# KiCad board TX75v2 PCB replacement.kicad_pcb (continued)
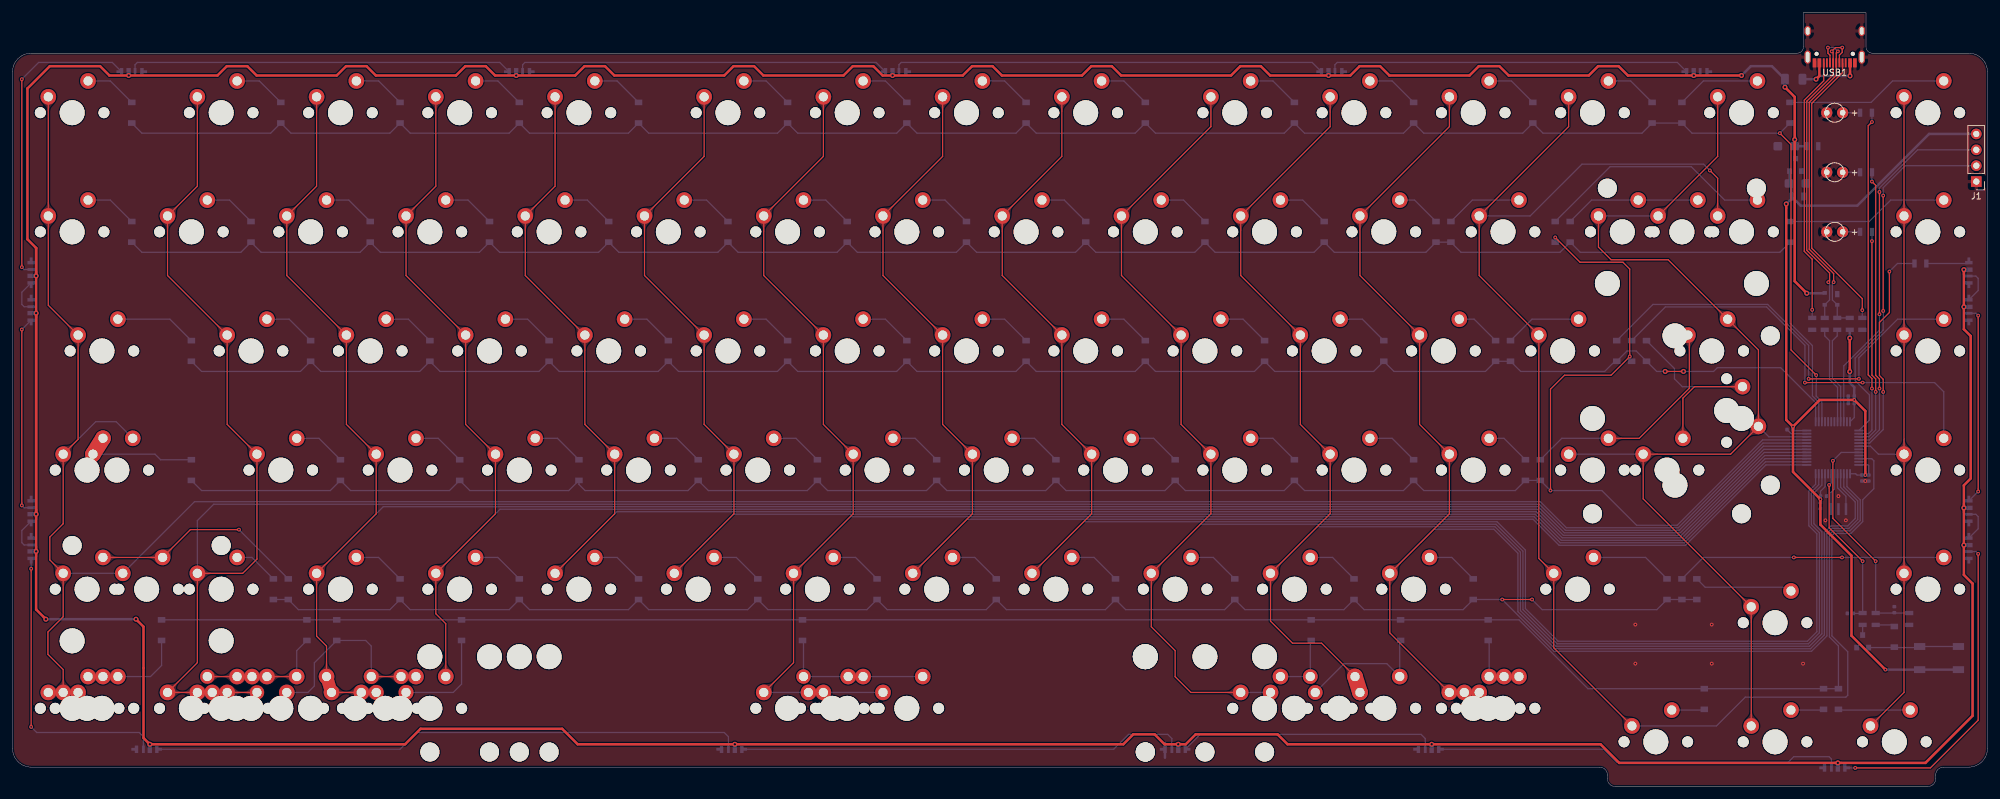
[diagram p0: board, top side]
## Copper pours and planes (outline as drawn; the poured copper is in the pictures) (continued)
C0 on Top: 7.99,14.84 8.09,14.84 8.19,14.83 8.28,14.83 8.37,14.82 8.45,14.8 8.52,14.78 8.59,14.77 8.66,14.74 8.72,14.72 8.78,14.69 8.84,14.67 8.89,14.63 8.94,14.6 8.99,14.57 9.51,14.17 9.57,14.13 9.63,14.09 9.7,14.04 9.77,14 9.85,13.96 9.93,13.92 11.1,15.04 9.93,16.17 9.85,16.12 9.77,16.08 9.7,16.04 9.63,16 9.57,15.95 9.51,15.91 8.99,15.51 8.94,15.48 8.89,15.45 8.84,15.42 8.78,15.39 8.72,15.36 8.66,15.34 8.59,15.32 8.52,15.3 8.45,15.28 8.37,15.27 8.28,15.26 8.19,15.25 8.09,15.24 7.99,15.24
C0 on Top: 8.2,15.24 8.1,15.24 8,15.25 7.91,15.26 7.83,15.27 7.75,15.28 7.67,15.3 7.6,15.32 7.53,15.34 7.47,15.36 7.41,15.39 7.36,15.42 7.3,15.45 7.25,15.48 7.2,15.51 6.69,15.91 6.63,15.95 6.56,16 6.49,16.04 6.42,16.08 6.34,16.12 6.26,16.17 5.09,15.04 6.26,13.92 6.34,13.96 6.42,14 6.49,14.04 6.56,14.09 6.63,14.13 6.69,14.17 7.2,14.57 7.25,14.6 7.3,14.63 7.36,14.67 7.41,14.69 7.47,14.72 7.53,14.74 7.6,14.77 7.67,14.78 7.75,14.8 7.83,14.82 7.91,14.83 8,14.83 8.1,14.84 8.2,14.84
C0 on Top: 6.26,35.78 6.34,35.71 6.4,35.63 6.46,35.56 6.52,35.49 6.56,35.42 6.6,35.35 6.63,35.29 6.66,35.22 6.69,35.16 6.71,35.1 6.72,35.04 6.74,34.97 6.75,34.91 6.76,34.85 6.78,34.33 6.79,34.25 6.8,34.18 6.81,34.1 6.82,34.03 6.84,33.94 6.86,33.86 6.89,33.77 6.92,33.68 8.54,33.65 8.51,35.27 8.42,35.3 8.33,35.33 8.24,35.35 8.16,35.36 8.08,35.38 8.01,35.39 7.93,35.4 7.86,35.4 7.34,35.43 7.28,35.44 7.21,35.45 7.15,35.46 7.09,35.48 7.03,35.5 6.96,35.52 6.9,35.55 6.83,35.59 6.77,35.63 6.7,35.67 6.63,35.72 6.56,35.78 6.48,35.85 6.41,35.92
C0 on Top: 8.2,50.65 8.2,50.76 8.2,50.86 8.21,50.95 8.23,51.04 8.24,51.12 8.26,51.19 8.28,51.26 8.31,51.33 8.34,51.39 8.37,51.45 8.4,51.5 8.43,51.56 8.47,51.61 8.51,51.66 8.86,52.05 8.9,52.1 8.95,52.16 9,52.22 9.04,52.29 9.09,52.36 9.13,52.43 9.18,52.51 9.22,52.6 8.1,53.77 6.97,52.6 7.01,52.51 7.06,52.43 7.1,52.36 7.15,52.29 7.2,52.22 7.24,52.16 7.29,52.1 7.33,52.05 7.68,51.66 7.72,51.61 7.76,51.56 7.79,51.5 7.83,51.45 7.86,51.39 7.88,51.33 7.91,51.26 7.93,51.19 7.95,51.12 7.97,51.04 7.98,50.95 7.99,50.86 7.99,50.76 8,50.65
C0 on Top: 10.58,69.7 10.58,69.81 10.59,69.91 10.59,70 10.61,70.09 10.62,70.17 10.64,70.24 10.67,70.31 10.69,70.38 10.72,70.44 10.75,70.5 10.78,70.55 10.82,70.61 10.85,70.66 10.89,70.71 11.24,71.1 11.29,71.15 11.33,71.21 11.38,71.27 11.42,71.34 11.47,71.41 11.52,71.48 11.56,71.56 11.6,71.65 10.48,72.82 9.35,71.65 9.4,71.56 9.44,71.48 9.48,71.41 9.53,71.34 9.58,71.27 9.62,71.21 9.67,71.15 9.72,71.1 10.06,70.71 10.1,70.66 10.14,70.61 10.17,70.55 10.21,70.5 10.24,70.44 10.26,70.38 10.29,70.31 10.31,70.24 10.33,70.17 10.35,70.09 10.36,70 10.37,69.91 10.38,69.81 10.38,69.7
C0 on Top: 9.79,54.97 9.71,54.9 9.64,54.83 9.56,54.77 9.49,54.72 9.43,54.68 9.36,54.64 9.29,54.6 9.23,54.57 9.16,54.55 9.1,54.53 9.04,54.51 8.98,54.5 8.92,54.49 8.85,54.48 8.33,54.45 8.26,54.45 8.19,54.44 8.11,54.43 8.03,54.41 7.95,54.4 7.86,54.38 7.78,54.35 7.69,54.32 7.65,52.7 9.28,52.73 9.31,52.82 9.33,52.91 9.35,52.99 9.37,53.08 9.38,53.15 9.39,53.23 9.4,53.3 9.41,53.38 9.44,53.9 9.45,53.96 9.46,54.02 9.47,54.09 9.48,54.15 9.51,54.21 9.53,54.27 9.56,54.34 9.59,54.4 9.63,54.47 9.68,54.54 9.73,54.61 9.79,54.68 9.85,54.76 9.93,54.83
C0 on Top: 8.2,31.6 8.2,31.71 8.2,31.81 8.21,31.9 8.23,31.99 8.24,32.07 8.26,32.14 8.28,32.21 8.31,32.28 8.34,32.34 8.37,32.4 8.4,32.45 8.43,32.51 8.47,32.56 8.51,32.61 8.86,33 8.9,33.05 8.95,33.11 9,33.17 9.04,33.24 9.09,33.31 9.13,33.38 9.18,33.46 9.22,33.55 8.1,34.72 6.97,33.55 7.01,33.46 7.06,33.38 7.1,33.31 7.15,33.24 7.2,33.17 7.24,33.11 7.29,33.05 7.33,33 7.68,32.61 7.72,32.56 7.76,32.51 7.79,32.45 7.83,32.4 7.86,32.34 7.88,32.28 7.91,32.21 7.93,32.14 7.95,32.07 7.97,31.99 7.98,31.9 7.99,31.81 7.99,31.71 8,31.6
C0 on Top: 8,17.53 7.99,17.43 7.99,17.33 7.98,17.23 7.97,17.15 7.95,17.07 7.93,16.99 7.91,16.92 7.88,16.86 7.86,16.79 7.83,16.73 7.79,16.68 7.76,16.63 7.72,16.58 7.68,16.53 7.33,16.14 7.29,16.08 7.24,16.02 7.2,15.96 7.15,15.9 7.1,15.83 7.06,15.75 7.01,15.67 6.97,15.59 8.1,14.42 9.22,15.59 9.18,15.67 9.13,15.75 9.09,15.83 9.04,15.9 9,15.96 8.95,16.02 8.9,16.08 8.86,16.14 8.51,16.53 8.47,16.58 8.43,16.63 8.4,16.68 8.37,16.73 8.34,16.79 8.31,16.86 8.28,16.92 8.26,16.99 8.24,17.07 8.23,17.15 8.21,17.23 8.2,17.33 8.2,17.43 8.2,17.53
C0 on Top: 5.81,88.75 5.82,88.86 5.82,88.96 5.83,89.05 5.85,89.14 5.86,89.22 5.88,89.29 5.9,89.36 5.93,89.43 5.96,89.49 5.99,89.55 6.02,89.6 6.05,89.66 6.09,89.71 6.13,89.76 6.48,90.15 6.52,90.2 6.57,90.26 6.62,90.32 6.66,90.39 6.71,90.46 6.75,90.53 6.8,90.61 6.84,90.7 5.71,91.87 4.59,90.7 4.63,90.61 4.68,90.53 4.72,90.46 4.77,90.39 4.81,90.32 4.86,90.26 4.91,90.2 4.95,90.15 5.3,89.76 5.34,89.71 5.38,89.66 5.41,89.6 5.44,89.55 5.47,89.49 5.5,89.43 5.53,89.36 5.55,89.29 5.57,89.22 5.58,89.14 5.6,89.05 5.61,88.96 5.61,88.86 5.61,88.75
C0 on Top: 8.65,73.88 8.72,73.81 8.79,73.73 8.84,73.66 8.9,73.59 8.94,73.52 8.98,73.45 9.02,73.39 9.04,73.32 9.07,73.26 9.09,73.2 9.11,73.14 9.12,73.07 9.13,73.01 9.14,72.95 9.17,72.43 9.17,72.35 9.18,72.28 9.19,72.2 9.2,72.13 9.22,72.04 9.24,71.96 9.27,71.87 9.3,71.78 10.92,71.75 10.89,73.37 10.8,73.4 10.71,73.43 10.62,73.45 10.54,73.46 10.46,73.48 10.39,73.49 10.31,73.5 10.24,73.5 9.72,73.53 9.66,73.54 9.6,73.55 9.53,73.56 9.47,73.58 9.41,73.6 9.35,73.62 9.28,73.65 9.22,73.69 9.15,73.73 9.08,73.77 9.01,73.82 8.94,73.88 8.86,73.95 8.79,74.02
C0 on Top: 5.81,107.8 5.82,107.91 5.82,108.01 5.83,108.1 5.85,108.19 5.86,108.27 5.88,108.34 5.9,108.41 5.93,108.48 5.96,108.54 5.99,108.6 6.02,108.65 6.05,108.71 6.09,108.76 6.13,108.81 6.48,109.2 6.52,109.25 6.57,109.31 6.62,109.37 6.66,109.44 6.71,109.51 6.75,109.58 6.8,109.66 6.84,109.75 5.71,110.92 4.59,109.75 4.63,109.66 4.68,109.58 4.72,109.51 4.77,109.44 4.81,109.37 4.86,109.31 4.91,109.25 4.95,109.2 5.3,108.81 5.34,108.76 5.38,108.71 5.41,108.65 5.44,108.6 5.47,108.54 5.5,108.48 5.53,108.41 5.55,108.34 5.57,108.27 5.58,108.19 5.6,108.1 5.61,108.01 5.61,107.91 5.61,107.8
C0 on Top: 5.61,93.73 5.61,93.63 5.61,93.53 5.6,93.43 5.58,93.35 5.57,93.27 5.55,93.19 5.53,93.12 5.5,93.06 5.47,92.99 5.44,92.93 5.41,92.88 5.38,92.83 5.34,92.78 5.3,92.73 4.95,92.34 4.91,92.28 4.86,92.22 4.81,92.16 4.77,92.1 4.72,92.03 4.68,91.95 4.63,91.87 4.59,91.79 5.71,90.62 6.84,91.79 6.8,91.87 6.75,91.95 6.71,92.03 6.66,92.1 6.62,92.16 6.57,92.22 6.52,92.28 6.48,92.34 6.13,92.73 6.09,92.78 6.05,92.83 6.02,92.88 5.99,92.93 5.96,92.99 5.93,93.06 5.9,93.12 5.88,93.19 5.86,93.27 5.85,93.35 5.83,93.43 5.82,93.53 5.82,93.63 5.81,93.73
C0 on Bottom: 19.31,35.92 19.23,35.85 19.16,35.78 19.09,35.72 19.02,35.67 18.95,35.63 18.88,35.59 18.82,35.55 18.75,35.52 18.69,35.5 18.63,35.48 18.56,35.46 18.5,35.45 18.44,35.44 18.38,35.43 17.86,35.4 17.78,35.4 17.71,35.39 17.63,35.38 17.56,35.36 17.47,35.35 17.39,35.33 17.3,35.3 17.21,35.27 17.18,33.65 18.8,33.68 18.83,33.77 18.86,33.86 18.88,33.94 18.89,34.03 18.91,34.1 18.92,34.18 18.93,34.25 18.93,34.33 18.96,34.85 18.97,34.91 18.98,34.97 18.99,35.04 19.01,35.1 19.03,35.16 19.05,35.22 19.08,35.29 19.12,35.35 19.16,35.42 19.2,35.49 19.25,35.56 19.31,35.63 19.38,35.71 19.45,35.78
C0 on Bottom: 17.38,57.37 17.45,57.3 17.52,57.22 17.58,57.15 17.63,57.08 17.67,57.01 17.71,56.94 17.75,56.88 17.78,56.81 17.8,56.75 17.82,56.69 17.84,56.63 17.85,56.56 17.86,56.5 17.87,56.44 17.9,55.92 17.9,55.84 17.91,55.77 17.92,55.69 17.94,55.62 17.95,55.53 17.97,55.45 18,55.36 18.03,55.27 19.65,55.24 19.62,56.86 19.53,56.89 19.44,56.92 19.36,56.94 19.27,56.95 19.2,56.97 19.12,56.98 19.05,56.99 18.97,56.99 18.45,57.02 18.39,57.03 18.33,57.04 18.27,57.05 18.2,57.07 18.14,57.09 18.08,57.11 18.01,57.14 17.95,57.18 17.88,57.22 17.81,57.26 17.74,57.31 17.67,57.37 17.6,57.44 17.52,57.51
C0 on Bottom: 9.79,54.97 9.71,54.9 9.64,54.83 9.56,54.77 9.49,54.72 9.43,54.68 9.36,54.64 9.29,54.6 9.23,54.57 9.16,54.55 9.1,54.53 9.04,54.51 8.98,54.5 8.92,54.49 8.85,54.48 8.33,54.45 8.26,54.45 8.19,54.44 8.11,54.43 8.03,54.41 7.95,54.4 7.86,54.38 7.78,54.35 7.69,54.32 7.65,52.7 9.28,52.73 9.31,52.82 9.33,52.91 9.35,52.99 9.37,53.08 9.38,53.15 9.39,53.23 9.4,53.3 9.41,53.38 9.44,53.9 9.45,53.96 9.46,54.02 9.47,54.09 9.48,54.15 9.51,54.21 9.53,54.27 9.56,54.34 9.59,54.4 9.63,54.47 9.68,54.54 9.73,54.61 9.79,54.68 9.85,54.76 9.93,54.83
C0 on Bottom: 15.13,33.99 15.24,33.99 15.34,33.98 15.43,33.97 15.52,33.96 15.6,33.95 15.67,33.93 15.74,33.9 15.81,33.88 15.87,33.85 15.93,33.82 15.98,33.79 16.04,33.75 16.09,33.72 16.14,33.68 16.53,33.33 16.58,33.28 16.64,33.24 16.7,33.19 16.77,33.14 16.84,33.1 16.91,33.05 16.99,33.01 17.08,32.97 18.25,34.09 17.08,35.22 16.99,35.17 16.91,35.13 16.84,35.08 16.77,35.04 16.7,34.99 16.64,34.95 16.58,34.9 16.53,34.85 16.14,34.5 16.09,34.47 16.04,34.43 15.98,34.39 15.93,34.36 15.87,34.33 15.81,34.3 15.74,34.28 15.67,34.26 15.6,34.24 15.52,34.22 15.43,34.21 15.34,34.2 15.24,34.19 15.13,34.19
C0 on Bottom: 10.59,34.19 10.48,34.19 10.38,34.2 10.29,34.21 10.2,34.22 10.12,34.24 10.05,34.26 9.98,34.28 9.91,34.3 9.85,34.33 9.79,34.36 9.73,34.39 9.68,34.43 9.63,34.47 9.58,34.5 9.19,34.85 9.13,34.9 9.08,34.95 9.02,34.99 8.95,35.04 8.88,35.08 8.81,35.13 8.73,35.17 8.64,35.22 7.47,34.09 8.64,32.97 8.73,33.01 8.81,33.05 8.88,33.1 8.95,33.14 9.02,33.19 9.08,33.24 9.13,33.28 9.19,33.33 9.58,33.68 9.63,33.72 9.68,33.75 9.73,33.79 9.79,33.82 9.85,33.85 9.91,33.88 9.98,33.9 10.05,33.93 10.12,33.95 10.2,33.96 10.29,33.97 10.38,33.98 10.48,33.99 10.59,33.99
C1 on Top: 32.02,15.24 31.91,15.24 31.82,15.25 31.72,15.26 31.64,15.27 31.56,15.28 31.48,15.3 31.41,15.32 31.35,15.34 31.28,15.36 31.22,15.39 31.17,15.42 31.11,15.45 31.06,15.48 31.01,15.51 30.5,15.91 30.44,15.95 30.37,16 30.31,16.04 30.23,16.08 30.16,16.13 30.07,16.17 28.9,15.04 30.07,13.92 30.16,13.96 30.23,14 30.31,14.04 30.37,14.09 30.44,14.13 30.5,14.17 31.01,14.57 31.06,14.6 31.11,14.64 31.17,14.67 31.22,14.69 31.28,14.72 31.35,14.74 31.41,14.77 31.48,14.79 31.56,14.8 31.64,14.82 31.72,14.83 31.82,14.84 31.91,14.84 32.02,14.84
C1 on Top: 31.8,14.84 31.9,14.84 32,14.84 32.09,14.83 32.18,14.82 32.26,14.8 32.33,14.79 32.4,14.77 32.47,14.74 32.53,14.72 32.59,14.69 32.65,14.67 32.7,14.64 32.76,14.6 32.81,14.57 33.32,14.17 33.38,14.13 33.44,14.09 33.51,14.04 33.58,14 33.66,13.96 33.75,13.92 34.91,15.04 33.75,16.17 33.66,16.13 33.58,16.08 33.51,16.04 33.44,16 33.38,15.95 33.32,15.91 32.81,15.51 32.76,15.48 32.7,15.45 32.65,15.42 32.59,15.39 32.53,15.36 32.47,15.34 32.4,15.32 32.33,15.3 32.26,15.28 32.18,15.27 32.09,15.26 32,15.25 31.9,15.24 31.8,15.24
C1 on Top: 29.63,31.6 29.63,31.71 29.64,31.81 29.64,31.9 29.66,31.99 29.67,32.07 29.69,32.14 29.72,32.21 29.74,32.28 29.77,32.34 29.8,32.4 29.83,32.45 29.87,32.51 29.9,32.56 29.94,32.61 30.29,33 30.34,33.05 30.38,33.11 30.43,33.17 30.47,33.24 30.52,33.31 30.57,33.38 30.61,33.46 30.65,33.55 29.53,34.72 28.4,33.55 28.45,33.46 28.49,33.38 28.53,33.31 28.58,33.24 28.63,33.17 28.67,33.11 28.72,33.05 28.77,33 29.11,32.61 29.15,32.56 29.19,32.51 29.22,32.45 29.26,32.4 29.29,32.34 29.31,32.28 29.34,32.21 29.36,32.14 29.38,32.07 29.4,31.99 29.41,31.9 29.42,31.81 29.43,31.71 29.43,31.6
C1 on Top: 26.46,16.87 26.38,16.8 26.3,16.73 26.23,16.67 26.16,16.62 26.09,16.58 26.03,16.54 25.96,16.5 25.9,16.47 25.83,16.45 25.77,16.43 25.71,16.41 25.65,16.4 25.58,16.39 25.52,16.38 25,16.35 24.93,16.35 24.85,16.34 24.78,16.33 24.7,16.31 24.62,16.3 24.53,16.28 24.45,16.25 24.35,16.22 24.32,14.6 25.95,14.63 25.98,14.72 26,14.81 26.02,14.89 26.04,14.98 26.05,15.05 26.06,15.13 26.07,15.2 26.08,15.28 26.11,15.8 26.11,15.86 26.12,15.92 26.14,15.98 26.15,16.05 26.17,16.11 26.2,16.17 26.23,16.24 26.26,16.3 26.3,16.37 26.35,16.44 26.4,16.51 26.46,16.58 26.52,16.65 26.6,16.73
C1 on Top: 27.04,14.94 27.14,14.94 27.24,14.93 27.33,14.92 27.42,14.91 27.5,14.9 27.58,14.88 27.65,14.85 27.71,14.83 27.78,14.8 27.83,14.77 27.89,14.74 27.94,14.7 27.99,14.67 28.04,14.63 28.43,14.28 28.49,14.23 28.55,14.19 28.61,14.14 28.67,14.09 28.74,14.05 28.82,14 28.9,13.96 28.98,13.92 30.15,15.04 28.98,16.17 28.9,16.12 28.82,16.08 28.74,16.03 28.67,15.99 28.61,15.94 28.55,15.9 28.49,15.85 28.43,15.8 28.04,15.45 27.99,15.42 27.94,15.38 27.89,15.34 27.83,15.31 27.78,15.28 27.71,15.25 27.65,15.23 27.58,15.21 27.5,15.19 27.42,15.17 27.33,15.16 27.24,15.15 27.14,15.14 27.04,15.14
C1 on Top: 27.26,15.14 27.15,15.14 27.05,15.15 26.96,15.16 26.87,15.17 26.79,15.19 26.72,15.21 26.64,15.23 26.58,15.25 26.52,15.28 26.46,15.31 26.4,15.34 26.35,15.38 26.3,15.42 26.25,15.45 25.86,15.8 25.8,15.85 25.75,15.9 25.68,15.94 25.62,15.99 25.55,16.03 25.47,16.08 25.4,16.12 25.31,16.17 24.14,15.04 25.31,13.92 25.4,13.96 25.47,14 25.55,14.05 25.62,14.09 25.68,14.14 25.75,14.19 25.8,14.23 25.86,14.28 26.25,14.63 26.3,14.67 26.35,14.7 26.4,14.74 26.46,14.77 26.52,14.8 26.58,14.83 26.64,14.85 26.72,14.88 26.79,14.9 26.87,14.91 26.96,14.92 27.05,14.93 27.15,14.94 27.26,14.94
C1 on Top: 36.78,15.14 36.67,15.14 36.57,15.15 36.48,15.16 36.4,15.17 36.32,15.19 36.24,15.21 36.17,15.23 36.1,15.25 36.04,15.28 35.98,15.31 35.93,15.34 35.87,15.38 35.82,15.42 35.77,15.45 35.38,15.8 35.33,15.85 35.27,15.9 35.21,15.94 35.14,15.99 35.07,16.03 35,16.08 34.92,16.12 34.83,16.17 33.66,15.04 34.83,13.92 34.92,13.96 35,14 35.07,14.05 35.14,14.09 35.21,14.14 35.27,14.19 35.33,14.23 35.38,14.28 35.77,14.63 35.82,14.67 35.87,14.7 35.93,14.74 35.98,14.77 36.04,14.8 36.1,14.83 36.17,14.85 36.24,14.88 36.32,14.9 36.4,14.91 36.48,14.92 36.57,14.93 36.67,14.94 36.78,14.94
C1 on Top: 36.76,14.94 36.86,14.94 36.95,14.93 37.04,14.93 37.12,14.91 37.19,14.9 37.26,14.88 37.32,14.86 37.38,14.84 37.44,14.81 37.5,14.79 37.55,14.76 37.6,14.73 37.64,14.69 37.69,14.66 38.1,14.3 38.15,14.25 38.21,14.21 38.27,14.17 38.33,14.13 38.4,14.09 38.47,14.05 38.55,14.01 39.63,15.04 38.55,16.08 38.47,16.04 38.4,16 38.33,15.96 38.27,15.91 38.21,15.87 38.15,15.83 38.1,15.79 37.69,15.43 37.64,15.39 37.6,15.36 37.55,15.33 37.5,15.3 37.44,15.27 37.38,15.24 37.32,15.22 37.26,15.2 37.19,15.18 37.12,15.17 37.04,15.16 36.95,15.15 36.86,15.14 36.76,15.14
C1 on Top: 39.15,50.65 39.15,50.76 39.16,50.86 39.17,50.95 39.18,51.04 39.2,51.12 39.22,51.19 39.24,51.26 39.27,51.33 39.29,51.39 39.32,51.45 39.36,51.5 39.39,51.56 39.43,51.61 39.47,51.66 39.81,52.05 39.86,52.1 39.91,52.16 39.95,52.22 40,52.29 40.05,52.36 40.09,52.43 40.13,52.51 40.18,52.6 39.05,53.77 37.93,52.6 37.97,52.51 38.01,52.43 38.06,52.36 38.11,52.29 38.15,52.22 38.2,52.16 38.24,52.1 38.29,52.05 38.64,51.66 38.68,51.61 38.71,51.56 38.75,51.5 38.78,51.45 38.81,51.39 38.84,51.33 38.86,51.26 38.89,51.19 38.91,51.12 38.92,51.04 38.94,50.95 38.94,50.86 38.95,50.76 38.95,50.65
C1 on Top: 32.02,34.19 31.91,34.19 31.81,34.2 31.72,34.21 31.63,34.22 31.55,34.24 31.48,34.26 31.41,34.28 31.34,34.3 31.28,34.33 31.22,34.36 31.16,34.39 31.11,34.43 31.06,34.47 31.01,34.5 30.62,34.85 30.57,34.9 30.51,34.95 30.45,34.99 30.38,35.04 30.31,35.08 30.24,35.13 30.16,35.17 30.07,35.22 28.9,34.09 30.07,32.97 30.16,33.01 30.24,33.05 30.31,33.1 30.38,33.14 30.45,33.19 30.51,33.24 30.57,33.28 30.62,33.33 31.01,33.68 31.06,33.72 31.11,33.75 31.16,33.79 31.22,33.82 31.28,33.85 31.34,33.88 31.41,33.9 31.48,33.93 31.55,33.95 31.63,33.96 31.72,33.97 31.81,33.98 31.91,33.99 32.02,33.99
C1 on Top: 34.39,69.7 34.39,69.81 34.4,69.91 34.41,70 34.42,70.09 34.44,70.17 34.46,70.24 34.48,70.31 34.5,70.38 34.53,70.44 34.56,70.5 34.59,70.55 34.63,70.61 34.66,70.66 34.7,70.71 35.05,71.1 35.1,71.15 35.14,71.21 35.19,71.27 35.24,71.34 35.28,71.41 35.33,71.48 35.37,71.56 35.41,71.65 34.29,72.82 33.16,71.65 33.21,71.56 33.25,71.48 33.3,71.41 33.34,71.34 33.39,71.27 33.44,71.21 33.48,71.15 33.53,71.1 33.88,70.71 33.92,70.66 33.95,70.61 33.99,70.55 34.02,70.5 34.05,70.44 34.08,70.38 34.1,70.31 34.12,70.24 34.14,70.17 34.16,70.09 34.17,70 34.18,69.91 34.19,69.81 34.19,69.7
C1 on Top: 37.22,54.83 37.29,54.76 37.36,54.68 37.42,54.61 37.47,54.54 37.52,54.47 37.56,54.4 37.59,54.34 37.62,54.27 37.64,54.21 37.66,54.15 37.68,54.09 37.69,54.02 37.7,53.96 37.71,53.9 37.74,53.38 37.75,53.3 37.76,53.23 37.77,53.15 37.78,53.08 37.8,52.99 37.82,52.91 37.84,52.82 37.87,52.73 39.49,52.7 39.46,54.32 39.37,54.35 39.28,54.38 39.2,54.4 39.12,54.41 39.04,54.43 38.96,54.44 38.89,54.45 38.82,54.45 38.29,54.48 38.23,54.49 38.17,54.5 38.11,54.51 38.05,54.53 37.98,54.55 37.92,54.57 37.86,54.6 37.79,54.64 37.72,54.68 37.66,54.72 37.59,54.77 37.51,54.83 37.44,54.9 37.36,54.97
C1 on Top: 24.86,88.75 24.87,88.86 24.87,88.96 24.88,89.05 24.9,89.14 24.91,89.22 24.93,89.29 24.95,89.36 24.98,89.43 25.01,89.49 25.04,89.55 25.07,89.6 25.1,89.66 25.14,89.71 25.18,89.76 25.53,90.15 25.57,90.2 25.62,90.26 25.67,90.32 25.71,90.39 25.76,90.46 25.8,90.53 25.85,90.61 25.89,90.7 24.76,91.87 23.64,90.7 23.68,90.61 23.73,90.53 23.77,90.46 23.82,90.39 23.86,90.32 23.91,90.26 23.96,90.2 24,90.15 24.35,89.76 24.39,89.71 24.43,89.66 24.46,89.6 24.49,89.55 24.52,89.49 24.55,89.43 24.58,89.36 24.6,89.29 24.62,89.22 24.63,89.14 24.65,89.05 24.66,88.96 24.66,88.86 24.66,88.75
C1 on Top: 32.46,73.88 32.53,73.81 32.6,73.73 32.66,73.66 32.71,73.59 32.75,73.52 32.79,73.45 32.83,73.39 32.86,73.32 32.88,73.26 32.9,73.2 32.92,73.14 32.93,73.07 32.94,73.01 32.95,72.95 32.98,72.43 32.98,72.35 32.99,72.28 33,72.2 33.02,72.13 33.03,72.04 33.05,71.96 33.08,71.87 33.11,71.78 34.73,71.75 34.7,73.37 34.61,73.4 34.52,73.43 34.44,73.45 34.36,73.46 34.28,73.48 34.2,73.49 34.13,73.5 34.06,73.5 33.53,73.53 33.47,73.54 33.41,73.55 33.35,73.56 33.28,73.58 33.22,73.6 33.16,73.62 33.09,73.65 33.03,73.69 32.96,73.73 32.89,73.77 32.82,73.82 32.75,73.88 32.68,73.95 32.6,74.02
C1 on Top: 29.63,107.8 29.63,107.91 29.64,108.01 29.64,108.1 29.66,108.19 29.67,108.27 29.69,108.34 29.72,108.41 29.74,108.48 29.77,108.54 29.8,108.6 29.83,108.65 29.87,108.71 29.9,108.76 29.94,108.81 30.29,109.2 30.34,109.25 30.38,109.31 30.43,109.37 30.47,109.44 30.52,109.51 30.57,109.58 30.61,109.66 30.65,109.75 29.53,110.92 28.4,109.75 28.45,109.66 28.49,109.58 28.53,109.51 28.58,109.44 28.63,109.37 28.67,109.31 28.72,109.25 28.77,109.2 29.11,108.81 29.15,108.76 29.19,108.71 29.22,108.65 29.26,108.6 29.29,108.54 29.31,108.48 29.34,108.41 29.36,108.34 29.38,108.27 29.4,108.19 29.41,108.1 29.42,108.01 29.43,107.91 29.43,107.8
C1 on Top: 26.45,93.07 26.38,93 26.3,92.93 26.23,92.87 26.16,92.82 26.09,92.78 26.03,92.74 25.96,92.7 25.9,92.67 25.83,92.65 25.77,92.63 25.71,92.61 25.65,92.6 25.58,92.59 25.52,92.58 25,92.55 24.93,92.55 24.85,92.54 24.78,92.53 24.7,92.51 24.62,92.5 24.53,92.48 24.45,92.45 24.35,92.42 24.32,90.8 25.95,90.83 25.98,90.92 26,91.01 26.02,91.09 26.04,91.18 26.05,91.25 26.06,91.33 26.07,91.4 26.08,91.48 26.11,92 26.11,92.06 26.12,92.12 26.14,92.19 26.15,92.25 26.17,92.31 26.2,92.37 26.23,92.44 26.26,92.5 26.3,92.57 26.35,92.64 26.4,92.71 26.46,92.78 26.52,92.86 26.6,92.93
C1 on Bottom: 29.43,36.58 29.43,36.48 29.42,36.38 29.41,36.28 29.4,36.2 29.38,36.12 29.36,36.04 29.34,35.97 29.31,35.91 29.29,35.84 29.26,35.78 29.22,35.73 29.19,35.68 29.15,35.63 29.11,35.58 28.77,35.19 28.72,35.13 28.67,35.07 28.63,35.01 28.58,34.95 28.53,34.88 28.49,34.8 28.45,34.72 28.4,34.64 29.53,33.47 30.65,34.64 30.61,34.72 30.57,34.8 30.52,34.88 30.47,34.95 30.43,35.01 30.38,35.07 30.34,35.13 30.29,35.19 29.94,35.58 29.9,35.63 29.87,35.68 29.83,35.73 29.8,35.78 29.77,35.84 29.74,35.91 29.72,35.97 29.69,36.04 29.67,36.12 29.66,36.2 29.64,36.28 29.64,36.38 29.63,36.48 29.63,36.58
C2 on Top: 58.09,15.24 58,15.24 57.92,15.25 57.84,15.25 57.76,15.26 57.69,15.27 57.62,15.29 57.55,15.3 57.49,15.32 57.44,15.34 57.38,15.37 57.33,15.39 57.28,15.42 57.23,15.44 57.18,15.47 56.54,16 56.48,16.04 56.42,16.08 55.1,15.04 56.42,14 56.48,14.05 56.54,14.09 57.18,14.61 57.23,14.64 57.28,14.67 57.33,14.69 57.38,14.72 57.44,14.74 57.49,14.76 57.55,14.78 57.62,14.79 57.69,14.81 57.76,14.82 57.84,14.83 57.92,14.84 58,14.84 58.09,14.84
C2 on Top: 55.7,14.84 55.8,14.84 55.9,14.84 55.98,14.83 56.07,14.82 56.14,14.8 56.22,14.79 56.29,14.77 56.35,14.75 56.41,14.73 56.47,14.7 56.52,14.68 56.57,14.65 56.63,14.62 56.67,14.58 57.17,14.21 57.23,14.16 57.29,14.12 57.36,14.08 57.43,14.04 57.5,14 57.58,13.96 58.7,15.04 57.58,16.12 57.5,16.08 57.43,16.04 57.36,16 57.29,15.96 57.23,15.92 57.17,15.88 56.67,15.5 56.63,15.47 56.57,15.44 56.52,15.41 56.47,15.38 56.41,15.36 56.35,15.33 56.29,15.31 56.22,15.3 56.14,15.28 56.07,15.27 55.98,15.26 55.9,15.25 55.8,15.24 55.7,15.24
C2 on Top: 49.26,17.12 49.72,15.23 51.15,14.45 51.87,15.9 51.17,17.72
C2 on Top: 51.86,15.5 51.4,17.4 49.98,18.18 49.25,16.73 49.95,14.91
C2 on Top: 50.07,20.07 50.06,19.97 50.06,19.87 50.05,19.77 50.04,19.69 50.02,19.61 50,19.53 49.98,19.46 49.95,19.4 49.92,19.33 49.89,19.27 49.86,19.22 49.83,19.17 49.79,19.11 49.75,19.07 49.4,18.67 49.36,18.62 49.31,18.56 49.26,18.5 49.22,18.43 49.17,18.37 49.13,18.29 49.08,18.21 49.04,18.13 50.17,16.96 51.29,18.13 51.25,18.21 51.2,18.29 51.16,18.37 51.11,18.43 51.07,18.5 51.02,18.56 50.97,18.62 50.93,18.67 50.58,19.07 50.54,19.11 50.5,19.17 50.47,19.22 50.44,19.27 50.41,19.33 50.38,19.4 50.35,19.46 50.33,19.53 50.31,19.61 50.3,19.69 50.28,19.77 50.27,19.87 50.27,19.97 50.27,20.07
C2 on Top: 48.68,31.6 48.68,31.71 48.69,31.81 48.69,31.9 48.71,31.99 48.72,32.07 48.74,32.14 48.77,32.21 48.79,32.28 48.82,32.34 48.85,32.4 48.88,32.45 48.92,32.51 48.95,32.56 48.99,32.61 49.34,33 49.39,33.05 49.43,33.11 49.48,33.17 49.52,33.24 49.57,33.31 49.62,33.38 49.66,33.46 49.7,33.55 48.58,34.72 47.45,33.55 47.5,33.46 47.54,33.38 47.58,33.31 47.63,33.24 47.68,33.17 47.72,33.11 47.77,33.05 47.82,33 48.16,32.61 48.2,32.56 48.24,32.51 48.27,32.45 48.31,32.4 48.34,32.34 48.36,32.28 48.39,32.21 48.41,32.14 48.43,32.07 48.45,31.99 48.46,31.9 48.47,31.81 48.48,31.71 48.48,31.6
C2 on Top: 53.45,15.14 53.34,15.14 53.24,15.15 53.15,15.16 53.06,15.17 52.98,15.19 52.91,15.21 52.84,15.23 52.77,15.25 52.71,15.28 52.65,15.31 52.6,15.34 52.54,15.38 52.49,15.42 52.44,15.45 52.05,15.8 52,15.85 51.94,15.9 51.88,15.94 51.81,15.99 51.74,16.03 51.67,16.08 51.59,16.12 51.5,16.17 50.33,15.04 51.5,13.92 51.59,13.96 51.67,14 51.74,14.05 51.81,14.09 51.88,14.14 51.94,14.19 52,14.23 52.05,14.28 52.44,14.63 52.49,14.67 52.54,14.7 52.6,14.74 52.65,14.77 52.71,14.8 52.77,14.83 52.84,14.85 52.91,14.88 52.98,14.9 53.06,14.91 53.15,14.92 53.24,14.93 53.34,14.94 53.45,14.94
C2 on Top: 53.23,14.94 53.34,14.94 53.44,14.93 53.53,14.92 53.62,14.91 53.7,14.9 53.77,14.88 53.84,14.85 53.91,14.83 53.97,14.8 54.03,14.77 54.08,14.74 54.14,14.7 54.19,14.67 54.24,14.63 54.63,14.28 54.68,14.23 54.74,14.19 54.8,14.14 54.87,14.09 54.94,14.05 55.01,14 55.09,13.96 55.18,13.92 56.35,15.04 55.18,16.17 55.09,16.12 55.01,16.08 54.94,16.03 54.87,15.99 54.8,15.94 54.74,15.9 54.68,15.85 54.63,15.8 54.24,15.45 54.19,15.42 54.14,15.38 54.08,15.34 54.03,15.31 53.97,15.28 53.91,15.25 53.84,15.23 53.77,15.21 53.7,15.19 53.62,15.17 53.53,15.16 53.44,15.15 53.34,15.14 53.23,15.14
C2 on Top: 58.2,50.65 58.2,50.76 58.21,50.86 58.22,50.95 58.23,51.04 58.25,51.12 58.27,51.19 58.29,51.26 58.32,51.33 58.34,51.39 58.37,51.45 58.41,51.5 58.44,51.56 58.48,51.61 58.52,51.66 58.86,52.05 58.91,52.1 58.96,52.16 59,52.22 59.05,52.29 59.1,52.36 59.14,52.43 59.18,52.51 59.23,52.6 58.1,53.77 56.98,52.6 57.02,52.51 57.06,52.43 57.11,52.36 57.16,52.29 57.2,52.22 57.25,52.16 57.29,52.1 57.34,52.05 57.69,51.66 57.73,51.61 57.76,51.56 57.8,51.5 57.83,51.45 57.86,51.39 57.89,51.33 57.91,51.26 57.94,51.19 57.96,51.12 57.97,51.04 57.99,50.95 57.99,50.86 58,50.76 58,50.65
C2 on Top: 50.27,35.92 50.19,35.85 50.12,35.78 50.04,35.72 49.97,35.67 49.91,35.63 49.84,35.59 49.77,35.55 49.71,35.52 49.65,35.5 49.58,35.48 49.52,35.46 49.46,35.45 49.4,35.44 49.34,35.43 48.81,35.4 48.74,35.4 48.67,35.39 48.59,35.38 48.51,35.36 48.43,35.35 48.35,35.33 48.26,35.3 48.17,35.27 48.14,33.65 49.76,33.68 49.79,33.77 49.81,33.86 49.83,33.94 49.85,34.03 49.86,34.1 49.87,34.18 49.88,34.25 49.89,34.33 49.92,34.85 49.93,34.91 49.94,34.97 49.95,35.04 49.97,35.1 49.99,35.16 50.01,35.22 50.04,35.29 50.07,35.35 50.11,35.42 50.16,35.49 50.21,35.56 50.27,35.63 50.34,35.71 50.41,35.78
C2 on Top: 53.44,69.7 53.44,69.81 53.45,69.91 53.46,70 53.47,70.09 53.49,70.17 53.51,70.24 53.53,70.31 53.55,70.38 53.58,70.44 53.61,70.5 53.64,70.55 53.68,70.61 53.71,70.66 53.75,70.71 54.1,71.1 54.15,71.15 54.19,71.21 54.24,71.27 54.29,71.34 54.33,71.41 54.38,71.48 54.42,71.56 54.46,71.65 53.34,72.82 52.21,71.65 52.26,71.56 52.3,71.48 52.35,71.41 52.39,71.34 52.44,71.27 52.49,71.21 52.53,71.15 52.58,71.1 52.93,70.71 52.97,70.66 53,70.61 53.04,70.55 53.07,70.5 53.1,70.44 53.13,70.38 53.15,70.31 53.17,70.24 53.19,70.17 53.21,70.09 53.22,70 53.23,69.91 53.24,69.81 53.24,69.7
C2 on Top: 56.27,54.83 56.34,54.76 56.41,54.68 56.47,54.61 56.52,54.54 56.57,54.47 56.61,54.4 56.64,54.34 56.67,54.27 56.69,54.21 56.71,54.15 56.73,54.09 56.74,54.02 56.75,53.96 56.76,53.9 56.79,53.38 56.8,53.3 56.81,53.23 56.82,53.15 56.83,53.08 56.85,52.99 56.87,52.91 56.89,52.82 56.92,52.73 58.54,52.7 58.51,54.32 58.42,54.35 58.33,54.38 58.25,54.4 58.17,54.41 58.09,54.43 58.01,54.44 57.94,54.45 57.87,54.45 57.34,54.48 57.28,54.49 57.22,54.5 57.16,54.51 57.1,54.53 57.03,54.55 56.97,54.57 56.91,54.6 56.84,54.64 56.77,54.68 56.71,54.72 56.64,54.77 56.56,54.83 56.49,54.9 56.41,54.97